# KiCad board SparkFun_BlueSMiRF-ESP32-PTH_panelized.kicad_pcb (continued)
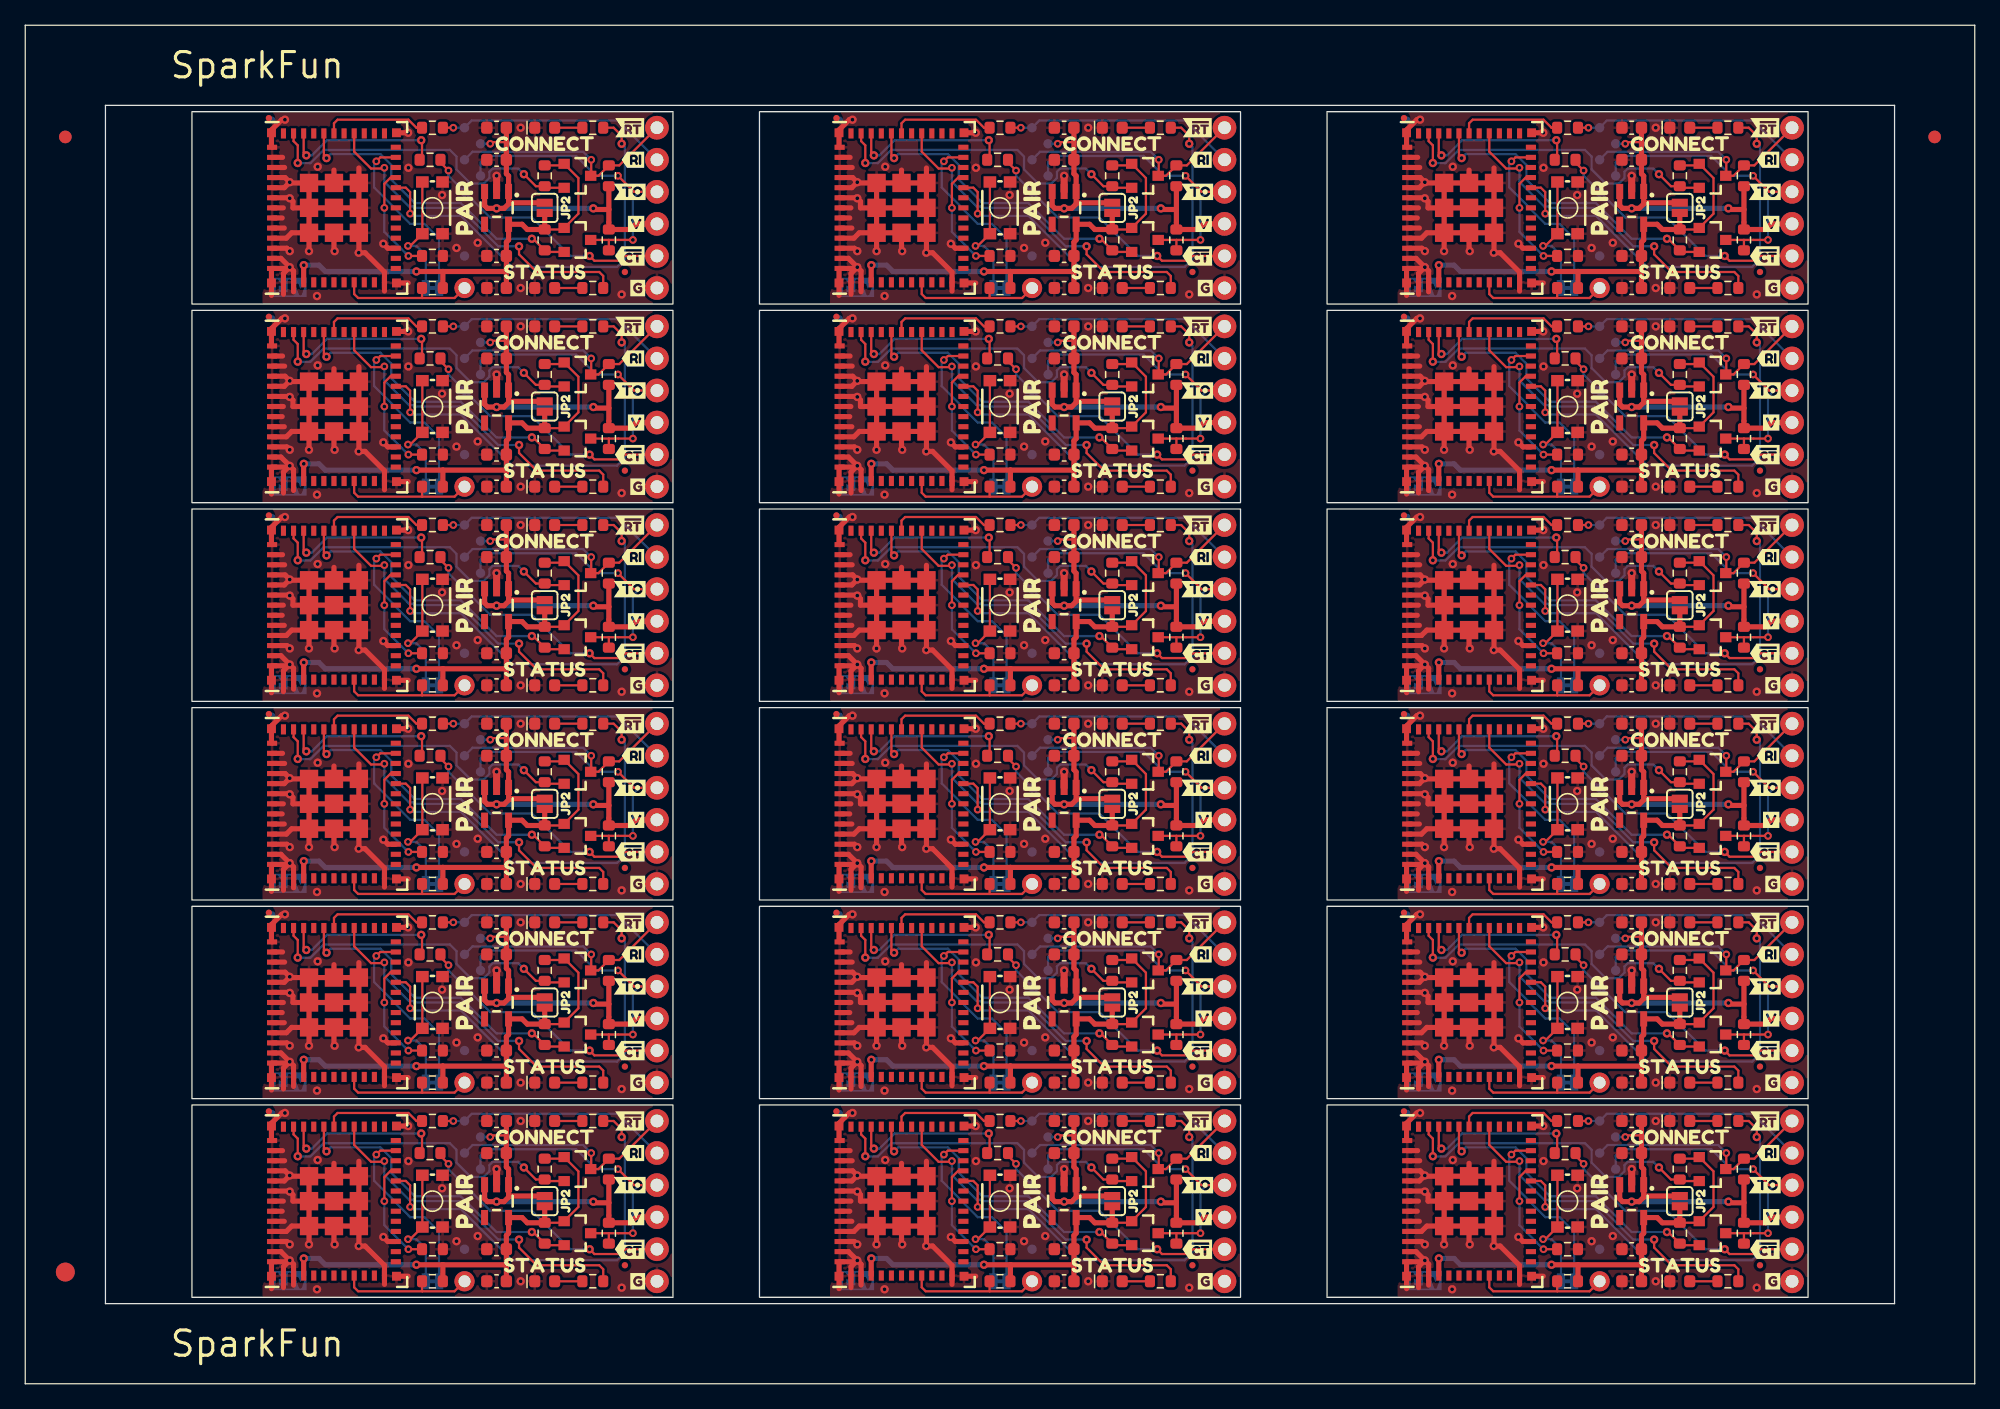
[diagram p0: board, top side]
## Placement (name value [footprint] x y rotation side) (continued)
R9#7  1k  [R_0603_1608Metric]  46.22 74.89 270 top
R9#8  1k  [R_0603_1608Metric]  46.22 90.63 270 top
R9#9  1k  [R_0603_1608Metric]  91.17 11.93 270 top
R9#10  1k  [R_0603_1608Metric]  91.17 59.15 270 top
R9#11  1k  [R_0603_1608Metric]  91.17 90.63 270 top
R9#12  1k  [R_0603_1608Metric]  136.12 27.67 270 top
R9#13  1k  [R_0603_1608Metric]  136.12 74.89 270 top
R9#14  1k  [R_0603_1608Metric]  136.12 43.41 270 top
R9#15  1k  [R_0603_1608Metric]  136.12 59.15 270 top
R9#16  1k  [R_0603_1608Metric]  136.12 90.63 270 top
R9#17  1k  [R_0603_1608Metric]  136.12 11.93 270 top
R9#18  1k  [R_0603_1608Metric]  46.22 11.93 270 top
R10  1k  [R_0603_1608Metric]  46.22 95.71 90 top
R10#2  1k  [R_0603_1608Metric]  136.12 48.49 90 top
R10#3  1k  [R_0603_1608Metric]  136.12 79.97 90 top
R10#4  1k  [R_0603_1608Metric]  136.12 32.75 90 top
R10#5  1k  [R_0603_1608Metric]  46.22 32.75 90 top
R10#6  1k  [R_0603_1608Metric]  91.17 95.71 90 top
R10#7  1k  [R_0603_1608Metric]  136.12 64.23 90 top
R10#8  1k  [R_0603_1608Metric]  46.22 48.49 90 top
R10#9  1k  [R_0603_1608Metric]  91.17 32.75 90 top
R10#10  1k  [R_0603_1608Metric]  46.22 64.23 90 top
R10#11  1k  [R_0603_1608Metric]  91.17 64.23 90 top
R10#12  1k  [R_0603_1608Metric]  46.22 79.97 90 top
R10#13  1k  [R_0603_1608Metric]  136.12 17.01 90 top
R10#14  1k  [R_0603_1608Metric]  91.17 17.01 90 top
R10#15  1k  [R_0603_1608Metric]  91.17 79.97 90 top
R10#16  1k  [R_0603_1608Metric]  136.12 95.71 90 top
R10#17  1k  [R_0603_1608Metric]  91.17 48.49 90 top
R10#18  1k  [R_0603_1608Metric]  46.22 17.01 90 top
SW1  Switch  [Momentary_SMD_4.6x2.8mm]  77.2 45.95 90 top
SW1#2  Switch  [Momentary_SMD_4.6x2.8mm]  77.2 30.21 90 top
SW1#3  Switch  [Momentary_SMD_4.6x2.8mm]  32.25 77.43 90 top
SW1#4  Switch  [Momentary_SMD_4.6x2.8mm]  32.25 45.95 90 top
SW1#5  Switch  [Momentary_SMD_4.6x2.8mm]  32.25 61.69 90 top
SW1#6  Switch  [Momentary_SMD_4.6x2.8mm]  77.2 14.47 90 top
SW1#7  Switch  [Momentary_SMD_4.6x2.8mm]  32.25 93.17 90 top
SW1#8  Switch  [Momentary_SMD_4.6x2.8mm]  77.2 93.17 90 top
SW1#9  Switch  [Momentary_SMD_4.6x2.8mm]  122.15 14.47 90 top
SW1#10  Switch  [Momentary_SMD_4.6x2.8mm]  77.2 77.43 90 top
SW1#11  Switch  [Momentary_SMD_4.6x2.8mm]  32.25 30.21 90 top
SW1#12  Switch  [Momentary_SMD_4.6x2.8mm]  122.15 45.95 90 top
SW1#13  Switch  [Momentary_SMD_4.6x2.8mm]  122.15 77.43 90 top
SW1#14  Switch  [Momentary_SMD_4.6x2.8mm]  122.15 30.21 90 top
SW1#15  Switch  [Momentary_SMD_4.6x2.8mm]  122.15 93.17 90 top
SW1#16  Switch  [Momentary_SMD_4.6x2.8mm]  77.2 61.69 90 top
SW1#17  Switch  [Momentary_SMD_4.6x2.8mm]  122.15 61.69 90 top
SW1#18  Switch  [Momentary_SMD_4.6x2.8mm]  32.25 14.47 90 top
TP1  TestPoint  [1X01]  34.79 39.6 90 top
TP1#2  TestPoint  [1X01]  79.74 8.12 90 top
TP1#3  TestPoint  [1X01]  79.74 71.08 90 top
TP1#4  TestPoint  [1X01]  124.69 8.12 90 top
TP1#5  TestPoint  [1X01]  34.79 55.34 90 top
TP1#6  TestPoint  [1X01]  34.79 23.86 90 top
TP1#7  TestPoint  [1X01]  34.79 71.08 90 top
TP1#8  TestPoint  [1X01]  79.74 23.86 90 top
TP1#9  TestPoint  [1X01]  79.74 39.6 90 top
TP1#10  TestPoint  [1X01]  34.79 86.82 90 top
TP1#11  TestPoint  [1X01]  79.74 55.34 90 top
TP1#12  TestPoint  [1X01]  79.74 86.82 90 top
TP1#13  TestPoint  [1X01]  124.69 23.86 90 top
TP1#14  TestPoint  [1X01]  124.69 39.6 90 top
TP1#15  TestPoint  [1X01]  124.69 55.34 90 top
TP1#16  TestPoint  [1X01]  124.69 86.82 90 top
TP1#17  TestPoint  [1X01]  124.69 71.08 90 top
TP1#18  TestPoint  [1X01]  34.79 8.12 90 top
TP2  TestPoint_0.75mm  [TestPoint-0.75mm]  79.74 99.52 180 bottom
TP2#2  TestPoint_0.75mm  [TestPoint-0.75mm]  124.69 36.56 180 bottom
TP2#3  TestPoint_0.75mm  [TestPoint-0.75mm]  124.69 99.52 180 bottom
TP2#4  TestPoint_0.75mm  [TestPoint-0.75mm]  124.69 20.82 180 bottom
TP2#5  TestPoint_0.75mm  [TestPoint-0.75mm]  124.69 68.04 180 bottom
TP2#6  TestPoint_0.75mm  [TestPoint-0.75mm]  124.69 52.3 180 bottom
TP2#7  TestPoint_0.75mm  [TestPoint-0.75mm]  79.74 83.78 180 bottom
TP2#8  TestPoint_0.75mm  [TestPoint-0.75mm]  124.69 83.78 180 bottom
TP2#9  TestPoint_0.75mm  [TestPoint-0.75mm]  34.79 83.78 180 bottom
TP2#10  TestPoint_0.75mm  [TestPoint-0.75mm]  79.74 20.82 180 bottom
TP2#11  TestPoint_0.75mm  [TestPoint-0.75mm]  34.79 36.56 180 bottom
TP2#12  TestPoint_0.75mm  [TestPoint-0.75mm]  34.79 52.3 180 bottom
TP2#13  TestPoint_0.75mm  [TestPoint-0.75mm]  34.79 68.04 180 bottom
TP2#14  TestPoint_0.75mm  [TestPoint-0.75mm]  34.79 99.52 180 bottom
TP2#15  TestPoint_0.75mm  [TestPoint-0.75mm]  79.74 36.56 180 bottom
TP2#16  TestPoint_0.75mm  [TestPoint-0.75mm]  79.74 52.3 180 bottom
TP2#17  TestPoint_0.75mm  [TestPoint-0.75mm]  79.74 68.04 180 bottom
TP2#18  TestPoint_0.75mm  [TestPoint-0.75mm]  34.79 20.82 180 bottom
TP3  TestPoint_0.75mm  [TestPoint-0.75mm]  34.79 62.96 180 bottom
TP3#2  TestPoint_0.75mm  [TestPoint-0.75mm]  79.74 15.74 180 bottom
TP3#3  TestPoint_0.75mm  [TestPoint-0.75mm]  79.74 47.22 180 bottom
TP3#4  TestPoint_0.75mm  [TestPoint-0.75mm]  79.74 78.7 180 bottom
TP3#5  TestPoint_0.75mm  [TestPoint-0.75mm]  34.79 78.7 180 bottom
TP3#6  TestPoint_0.75mm  [TestPoint-0.75mm]  34.79 47.22 180 bottom
TP3#7  TestPoint_0.75mm  [TestPoint-0.75mm]  34.79 31.48 180 bottom
TP3#8  TestPoint_0.75mm  [TestPoint-0.75mm]  34.79 94.44 180 bottom
TP3#9  TestPoint_0.75mm  [TestPoint-0.75mm]  79.74 31.48 180 bottom
TP3#10  TestPoint_0.75mm  [TestPoint-0.75mm]  79.74 62.96 180 bottom
TP3#11  TestPoint_0.75mm  [TestPoint-0.75mm]  124.69 15.74 180 bottom
TP3#12  TestPoint_0.75mm  [TestPoint-0.75mm]  124.69 62.96 180 bottom
TP3#13  TestPoint_0.75mm  [TestPoint-0.75mm]  124.69 78.7 180 bottom
TP3#14  TestPoint_0.75mm  [TestPoint-0.75mm]  124.69 47.22 180 bottom
TP3#15  TestPoint_0.75mm  [TestPoint-0.75mm]  124.69 94.44 180 bottom
TP3#16  TestPoint_0.75mm  [TestPoint-0.75mm]  79.74 94.44 180 bottom
TP3#17  TestPoint_0.75mm  [TestPoint-0.75mm]  124.69 31.48 180 bottom
TP3#18  TestPoint_0.75mm  [TestPoint-0.75mm]  34.79 15.74 180 bottom
TP4  TestPoint_0.75mm  [TestPoint-0.75mm]  81.01 95.71 180 bottom
TP4#2  TestPoint_0.75mm  [TestPoint-0.75mm]  125.96 48.49 180 bottom
TP4#3  TestPoint_0.75mm  [TestPoint-0.75mm]  81.01 17.01 180 bottom
TP4#4  TestPoint_0.75mm  [TestPoint-0.75mm]  36.06 32.75 180 bottom
TP4#5  TestPoint_0.75mm  [TestPoint-0.75mm]  81.01 32.75 180 bottom
TP4#6  TestPoint_0.75mm  [TestPoint-0.75mm]  81.01 64.23 180 bottom
TP4#7  TestPoint_0.75mm  [TestPoint-0.75mm]  36.06 79.97 180 bottom
TP4#8  TestPoint_0.75mm  [TestPoint-0.75mm]  81.01 48.49 180 bottom
TP4#9  TestPoint_0.75mm  [TestPoint-0.75mm]  81.01 79.97 180 bottom
TP4#10  TestPoint_0.75mm  [TestPoint-0.75mm]  36.06 64.23 180 bottom
TP4#11  TestPoint_0.75mm  [TestPoint-0.75mm]  125.96 17.01 180 bottom
TP4#12  TestPoint_0.75mm  [TestPoint-0.75mm]  36.06 48.49 180 bottom
TP4#13  TestPoint_0.75mm  [TestPoint-0.75mm]  36.06 95.71 180 bottom
TP4#14  TestPoint_0.75mm  [TestPoint-0.75mm]  125.96 32.75 180 bottom
TP4#15  TestPoint_0.75mm  [TestPoint-0.75mm]  125.96 64.23 180 bottom
TP4#16  TestPoint_0.75mm  [TestPoint-0.75mm]  125.96 79.97 180 bottom
TP4#17  TestPoint_0.75mm  [TestPoint-0.75mm]  125.96 95.71 180 bottom
TP4#18  TestPoint_0.75mm  [TestPoint-0.75mm]  36.06 17.01 180 bottom
TP5  TestPoint_0.75mm  [TestPoint-0.75mm]  34.79 65.5 180 bottom
TP5#2  TestPoint_0.75mm  [TestPoint-0.75mm]  79.74 49.76 180 bottom
TP5#3  TestPoint_0.75mm  [TestPoint-0.75mm]  124.69 49.76 180 bottom
TP5#4  TestPoint_0.75mm  [TestPoint-0.75mm]  79.74 34.02 180 bottom
TP5#5  TestPoint_0.75mm  [TestPoint-0.75mm]  124.69 96.98 180 bottom
TP5#6  TestPoint_0.75mm  [TestPoint-0.75mm]  34.79 34.02 180 bottom
TP5#7  TestPoint_0.75mm  [TestPoint-0.75mm]  79.74 18.28 180 bottom
TP5#8  TestPoint_0.75mm  [TestPoint-0.75mm]  79.74 65.5 180 bottom
TP5#9  TestPoint_0.75mm  [TestPoint-0.75mm]  79.74 81.24 180 bottom
TP5#10  TestPoint_0.75mm  [TestPoint-0.75mm]  79.74 96.98 180 bottom
TP5#11  TestPoint_0.75mm  [TestPoint-0.75mm]  34.79 49.76 180 bottom
TP5#12  TestPoint_0.75mm  [TestPoint-0.75mm]  34.79 96.98 180 bottom
TP5#13  TestPoint_0.75mm  [TestPoint-0.75mm]  34.79 81.24 180 bottom
TP5#14  TestPoint_0.75mm  [TestPoint-0.75mm]  124.69 18.28 180 bottom
TP5#15  TestPoint_0.75mm  [TestPoint-0.75mm]  124.69 34.02 180 bottom
TP5#16  TestPoint_0.75mm  [TestPoint-0.75mm]  124.69 65.5 180 bottom
TP5#17  TestPoint_0.75mm  [TestPoint-0.75mm]  124.69 81.24 180 bottom
TP5#18  TestPoint_0.75mm  [TestPoint-0.75mm]  34.79 18.28 180 bottom
TP6  TestPoint_0.75mm  [TestPoint-0.75mm]  34.79 26.4 180 bottom
TP6#2  TestPoint_0.75mm  [TestPoint-0.75mm]  34.79 42.14 180 bottom
TP6#3  TestPoint_0.75mm  [TestPoint-0.75mm]  34.79 57.88 180 bottom
TP6#4  TestPoint_0.75mm  [TestPoint-0.75mm]  34.79 73.62 180 bottom
TP6#5  TestPoint_0.75mm  [TestPoint-0.75mm]  34.79 89.36 180 bottom
TP6#6  TestPoint_0.75mm  [TestPoint-0.75mm]  124.69 42.14 180 bottom
TP6#7  TestPoint_0.75mm  [TestPoint-0.75mm]  79.74 26.4 180 bottom
TP6#8  TestPoint_0.75mm  [TestPoint-0.75mm]  124.69 73.62 180 bottom
TP6#9  TestPoint_0.75mm  [TestPoint-0.75mm]  79.74 89.36 180 bottom
TP6#10  TestPoint_0.75mm  [TestPoint-0.75mm]  124.69 89.36 180 bottom
TP6#11  TestPoint_0.75mm  [TestPoint-0.75mm]  79.74 10.66 180 bottom
TP6#12  TestPoint_0.75mm  [TestPoint-0.75mm]  79.74 42.14 180 bottom
TP6#13  TestPoint_0.75mm  [TestPoint-0.75mm]  79.74 57.88 180 bottom
TP6#14  TestPoint_0.75mm  [TestPoint-0.75mm]  124.69 26.4 180 bottom
TP6#15  TestPoint_0.75mm  [TestPoint-0.75mm]  79.74 73.62 180 bottom
TP6#16  TestPoint_0.75mm  [TestPoint-0.75mm]  124.69 10.66 180 bottom
TP6#17  TestPoint_0.75mm  [TestPoint-0.75mm]  124.69 57.88 180 bottom
TP6#18  TestPoint_0.75mm  [TestPoint-0.75mm]  34.79 10.66 180 bottom
TP7  TestPoint_0.75mm  [TestPoint-0.75mm]  81.01 66.77 180 bottom
TP7#2  TestPoint_0.75mm  [TestPoint-0.75mm]  36.06 35.29 180 bottom
TP7#3  TestPoint_0.75mm  [TestPoint-0.75mm]  36.06 51.03 180 bottom
TP7#4  TestPoint_0.75mm  [TestPoint-0.75mm]  125.96 35.29 180 bottom
TP7#5  TestPoint_0.75mm  [TestPoint-0.75mm]  125.96 98.25 180 bottom
TP7#6  TestPoint_0.75mm  [TestPoint-0.75mm]  125.96 19.55 180 bottom
TP7#7  TestPoint_0.75mm  [TestPoint-0.75mm]  81.01 98.25 180 bottom
TP7#8  TestPoint_0.75mm  [TestPoint-0.75mm]  81.01 35.29 180 bottom
TP7#9  TestPoint_0.75mm  [TestPoint-0.75mm]  36.06 66.77 180 bottom
TP7#10  TestPoint_0.75mm  [TestPoint-0.75mm]  36.06 98.25 180 bottom
TP7#11  TestPoint_0.75mm  [TestPoint-0.75mm]  81.01 19.55 180 bottom
TP7#12  TestPoint_0.75mm  [TestPoint-0.75mm]  36.06 82.51 180 bottom
TP7#13  TestPoint_0.75mm  [TestPoint-0.75mm]  81.01 51.03 180 bottom
TP7#14  TestPoint_0.75mm  [TestPoint-0.75mm]  125.96 82.51 180 bottom
TP7#15  TestPoint_0.75mm  [TestPoint-0.75mm]  125.96 51.03 180 bottom
TP7#16  TestPoint_0.75mm  [TestPoint-0.75mm]  81.01 82.51 180 bottom
TP7#17  TestPoint_0.75mm  [TestPoint-0.75mm]  125.96 66.77 180 bottom
TP7#18  TestPoint_0.75mm  [TestPoint-0.75mm]  36.06 19.55 180 bottom
U1  ESP32_Pico_Mini  [ESP32-MINI]  24.45 30.21 90 top
U1#2  ESP32_Pico_Mini  [ESP32-MINI]  24.45 45.95 90 top
U1#3  ESP32_Pico_Mini  [ESP32-MINI]  24.45 61.69 90 top
U1#4  ESP32_Pico_Mini  [ESP32-MINI]  114.35 14.47 90 top
U1#5  ESP32_Pico_Mini  [ESP32-MINI]  114.35 30.21 90 top
U1#6  ESP32_Pico_Mini  [ESP32-MINI]  69.4 61.69 90 top
U1#7  ESP32_Pico_Mini  [ESP32-MINI]  114.35 61.69 90 top
U1#8  ESP32_Pico_Mini  [ESP32-MINI]  69.4 14.47 90 top
U1#9  ESP32_Pico_Mini  [ESP32-MINI]  69.4 93.17 90 top
U1#10  ESP32_Pico_Mini  [ESP32-MINI]  114.35 77.43 90 top
U1#11  ESP32_Pico_Mini  [ESP32-MINI]  24.45 93.17 90 top
U1#12  ESP32_Pico_Mini  [ESP32-MINI]  69.4 45.95 90 top
U1#13  ESP32_Pico_Mini  [ESP32-MINI]  114.35 45.95 90 top
U1#14  ESP32_Pico_Mini  [ESP32-MINI]  24.45 77.43 90 top
U1#15  ESP32_Pico_Mini  [ESP32-MINI]  114.35 93.17 90 top
U1#16  ESP32_Pico_Mini  [ESP32-MINI]  69.4 30.21 90 top
U1#17  ESP32_Pico_Mini  [ESP32-MINI]  69.4 77.43 90 top
U1#18  ESP32_Pico_Mini  [ESP32-MINI]  24.45 14.47 90 top
U2  AP2112K-3.3  [SOT23-5]  37.33 61.69 270 top
U2#2  AP2112K-3.3  [SOT23-5]  37.33 93.17 270 top
U2#3  AP2112K-3.3  [SOT23-5]  37.33 45.95 270 top
U2#4  AP2112K-3.3  [SOT23-5]  127.23 14.47 270 top
U2#5  AP2112K-3.3  [SOT23-5]  127.23 45.95 270 top
U2#6  AP2112K-3.3  [SOT23-5]  37.33 30.21 270 top
U2#7  AP2112K-3.3  [SOT23-5]  37.33 77.43 270 top
U2#8  AP2112K-3.3  [SOT23-5]  82.28 14.47 270 top
U2#9  AP2112K-3.3  [SOT23-5]  82.28 30.21 270 top
U2#10  AP2112K-3.3  [SOT23-5]  82.28 45.95 270 top
U2#11  AP2112K-3.3  [SOT23-5]  82.28 61.69 270 top
U2#12  AP2112K-3.3  [SOT23-5]  82.28 77.43 270 top
U2#13  AP2112K-3.3  [SOT23-5]  82.28 93.17 270 top
U2#14  AP2112K-3.3  [SOT23-5]  127.23 30.21 270 top
U2#15  AP2112K-3.3  [SOT23-5]  127.23 77.43 270 top
U2#16  AP2112K-3.3  [SOT23-5]  127.23 93.17 270 top
U2#17  AP2112K-3.3  [SOT23-5]  127.23 61.69 270 top
U2#18  AP2112K-3.3  [SOT23-5]  37.33 14.47 270 top
U3  ~  [ORDERING_INSTRUCTIONS]  -116.09 223.73 0 top

## Library data of the parts
C1 C1#2-C1#18 C4 C4#2-C4#18 = -: Description: Unpolarized capacitor; PROD_ID: CAP-20155; Tolerance: 20%; Voltage: 10V
C2 C2#2-C2#18 C3 C3#2-C3#18 = -: Description: Unpolarized capacitor; PROD_ID: CAP-13930; Tolerance: 10%; Voltage: 16V
D1 D1#2-D1#18 = -: Description: Light emitting diode; PROD_ID: DIO-00821
D2 D2#2-D2#18 = -: Description: Light emitting diode; PROD_ID: DIO-17976
FID1 FID1#2-FID1#18 FID2 FID2#2-FID2#18 FID3 FID3#2-FID3#18 FID4 FID4#2-FID4#18 = -: Description: Fiducial Marker
J1 J1#2-J1#18 = -: Description: Generic connector, single row, 01x06, script generated (kicad-library-utils/schlib/autogen/connector/)
JP1 JP1#2-JP1#18 = -: Description: Solder Jumper, 2-pole, closed/bridged
JP2 JP2#2-JP2#18 = -: Description: Solder Jumper, 2-pole, open
Q1 Q1#2-Q1#18 Q2 Q2#2-Q2#18 = -: Description: N-MOSFET transistor, drain/gate/source; PROD_ID: TRANS-00830
R1 R1#2-R1#18 R6 R6#2-R6#18 = -: Description: Resistor; PROD_ID: RES-07857
R2 R2#2-R2#18 = -: Description: Resistor; PROD_ID: RES-00824
R3 R3#2-R3#18 R4 R4#2-R4#18 R7 R7#2-R7#18 R8 R8#2-R8#18 R9 R9#2-R9#18 R10 R10#2-R10#18 = -: Description: Resistor; PROD_ID: RES-07856
R5 R5#2-R5#18 = -: Description: Resistor; PROD_ID: RES-00818
SW1 SW1#2-SW1#18 = -: Description: Single Pole Single Throw (SPST) switch; PROD_ID: SWCH-15606
TP1 TP1#2-TP1#18 TP2 TP2#2-TP2#18 TP3 TP3#2-TP3#18 TP4 TP4#2-TP4#18 TP5 TP5#2-TP5#18 TP6 TP6#2-TP6#18 TP7 TP7#2-TP7#18 = -: Description: Test Point
U1 U1#2-U1#18 = -: PROD_ID: IC-19692
U2 U2#2-U2#18 = -: Description: 600mA low dropout linear regulator, with enable pin, 3.8V-6V input voltage range, 3.3V fixed positive output, SOT-23-5; PROD_ID: VREG-12457

## Footprints (pads in the part's own frame, mm; a bottom-side part is the same pattern mirrored in y, then rotated)
1X01
  round 1.6 hole 0.95: 1(0,0)
1X06
  round 1.88 hole 1.016: 1(0,0) 2(2.54,0) 3(5.08,0) 4(7.62,0) 5(10.16,0) 6(12.7,0)
C_0603_1608Metric
  rrect 0.9x0.95 smd: 1(-0.775,0) 2(0.775,0)
ESP32-MINI
  rect 0.8x0.4 smd: 1(-5.9,4) 2(-5.9,3.2) 3(-5.9,2.4) 4(-5.9,1.6) 5(-5.9,0.8) 6(-5.9,0) 7(-5.9,-0.8) 8(-5.9,-1.6) 9(-5.9,-2.4) 10(-5.9,-3.2) 11(-5.9,-4) 25(5.9,-4) 26(5.9,-3.2) 27(5.9,-2.4) 28(5.9,-1.6) 29(5.9,-0.8) 30(5.9,0) 31(5.9,0.8) 32(5.9,1.6) 33(5.9,2.4) 34(5.9,3.2) 35(5.9,4)
  rect 0.4x0.8 smd: 12(-4.8,-4.9) 13(-4,-4.9) 14(-3.2,-4.9) 15(-2.4,-4.9) 16(-1.6,-4.9) 17(-0.8,-4.9) 18(0,-4.9) 19(0.8,-4.9) 20(1.6,-4.9) 21(2.4,-4.9) 22(3.2,-4.9) 23(4,-4.9) 24(4.8,-4.9) 36(4.8,4.9) 37(4,4.9) 38(3.2,4.9) 39(2.4,4.9) 40(1.6,4.9) 41(0.8,4.9) 42(0,4.9) 43(-0.8,4.9) 44(-1.6,4.9) 45(-2.4,4.9) 46(-3.2,4.9) 47(-4,4.9) 48(-4.8,4.9)
  rect 1.45x1.45 smd: 49.1(-1.975,1.975) 49.2(-1.975,0) 49.3(-1.975,-1.975) 49.4(0,-1.975) 49.5(1.975,-1.975) 49.6(1.975,0) 49.7(1.975,1.975) 49.8(0,1.975) 49.9(0,0)
  rect 0.7x0.7 smd: 50(5.95,4.95) 51(5.95,-4.95) 52(-5.95,-4.95) 53(-5.95,4.95)
Fiducial_0.5mm_Mask1mm
  round 0.5 smd: (0,0)
Fiducial_1.5mm_Mask3mm
  round 1.5 smd: (0,0)
Fiducial_1mm_Mask3mm
  round 1 smd: (0,0)
LED_0603_1608Metric
  rrect 0.875x0.95 smd: 1(-0.787,0) 2(0.787,0)
Momentary_SMD_4.6x2.8mm
  rect 0.9x1 smd: 1(-2.05,0.8) 1(2.05,0.8) 2(-2.05,-0.8) 2(2.05,-0.8)
R_0603_1608Metric
  rrect 0.8x0.95 smd: 1(-0.825,0) 2(0.825,0)
SMT-JUMPER_2_NC_TRACE_SILK
  rect 0.66x1.27 smd: 1(-0.521,0) 2(0.521,0)
SMT-JUMPER_2_NO_SILK
  rect 0.635x1.27 smd: 1(-0.406,0) 2(0.406,0)
SOT23-3
  rect 0.9x0.8 smd: 1(-1,0.95) 2(-1,-0.95) 3(1.1,0)
SOT23-5
  rect 1.2x0.55 smd: 1(-1.3,0.95) 2(-1.3,0) 3(-1.3,-0.95) 4(1.3,-0.95) 5(1.3,0.95)
TestPoint-0.75mm
  rrect 0.75x0.75 smd: 1(0,0)

## Nets
+3.3V: C3.1 C3#2.1 C3#3.1 C3#4.1 C3#5.1 C3#6.1 C3#7.1 C3#8.1 C3#9.1 C3#10.1 C3#11.1 C3#12.1 C3#13.1 C3#14.1 C3#15.1 C3#16.1 C3#17.1 C3#18.1 C4.1 C4#2.1 C4#3.1 C4#4.1 C4#5.1 C4#6.1 C4#7.1 C4#8.1 C4#9.1 C4#10.1 C4#11.1 C4#12.1 C4#13.1 C4#14.1 C4#15.1 C4#16.1 C4#17.1 C4#18.1 JP2.2 JP2#2.2 JP2#3.2 JP2#4.2 JP2#5.2 JP2#6.2 JP2#7.2 JP2#8.2 JP2#9.2 JP2#10.2 JP2#11.2 JP2#12.2 JP2#13.2 JP2#14.2 JP2#15.2 JP2#16.2 JP2#17.2 JP2#18.2 Q1.1 Q1#2.1 Q1#3.1 Q1#4.1 Q1#5.1 Q1#6.1 Q1#7.1 Q1#8.1 Q1#9.1 Q1#10.1 Q1#11.1 Q1#12.1 Q1#13.1 Q1#14.1 Q1#15.1 Q1#16.1 Q1#17.1 Q1#18.1 Q2.1 Q2#2.1 Q2#3.1 Q2#4.1 Q2#5.1 Q2#6.1 Q2#7.1 Q2#8.1 Q2#9.1 Q2#10.1 Q2#11.1 Q2#12.1 Q2#13.1 Q2#14.1 Q2#15.1 Q2#16.1 Q2#17.1 Q2#18.1 R1.1 R1#2.1 R1#3.1 R1#4.1 R1#5.1 R1#6.1 R1#7.1 R1#8.1 R1#9.1 R1#10.1 R1#11.1 R1#12.1 R1#13.1 R1#14.1 R1#15.1 R1#16.1 R1#17.1 R1#18.1 R7.1 R7#2.1 R7#3.1 R7#4.1 R7#5.1 R7#6.1 R7#7.1 R7#8.1 R7#9.1 R7#10.1 R7#11.1 R7#12.1 R7#13.1 R7#14.1 R7#15.1 R7#16.1 R7#17.1 R7#18.1 R8.1 R8#2.1 R8#3.1 R8#4.1 R8#5.1 R8#6.1 R8#7.1 R8#8.1 R8#9.1 R8#10.1 R8#11.1 R8#12.1 R8#13.1 R8#14.1 R8#15.1 R8#16.1 R8#17.1 R8#18.1 U1.3 U1#2.3 U1#3.3 U1#4.3 U1#5.3 U1#6.3 U1#7.3 U1#8.3 U1#9.3 U1#10.3 U1#11.3 U1#12.3 U1#13.3 U1#14.3 U1#15.3 U1#16.3 U1#17.3 U1#18.3 U2.5 U2#2.5 U2#3.5 U2#4.5 U2#5.5 U2#6.5 U2#7.5 U2#8.5 U2#9.5 U2#10.5 U2#11.5 U2#12.5 U2#13.5 U2#14.5 U2#15.5 U2#16.5 U2#17.5 U2#18.5
GND: C1.2 C1#2.2 C1#3.2 C1#4.2 C1#5.2 C1#6.2 C1#7.2 C1#8.2 C1#9.2 C1#10.2 C1#11.2 C1#12.2 C1#13.2 C1#14.2 C1#15.2 C1#16.2 C1#17.2 C1#18.2 C2.2 C2#2.2 C2#3.2 C2#4.2 C2#5.2 C2#6.2 C2#7.2 C2#8.2 C2#9.2 C2#10.2 C2#11.2 C2#12.2 C2#13.2 C2#14.2 C2#15.2 C2#16.2 C2#17.2 C2#18.2 C3.2 C3#2.2 C3#3.2 C3#4.2 C3#5.2 C3#6.2 C3#7.2 C3#8.2 C3#9.2 C3#10.2 C3#11.2 C3#12.2 C3#13.2 C3#14.2 C3#15.2 C3#16.2 C3#17.2 C3#18.2 C4.2 C4#2.2 C4#3.2 C4#4.2 C4#5.2 C4#6.2 C4#7.2 C4#8.2 C4#9.2 C4#10.2 C4#11.2 C4#12.2 C4#13.2 C4#14.2 C4#15.2 C4#16.2 C4#17.2 C4#18.2 D1.1 D1#2.1 D1#3.1 D1#4.1 D1#5.1 D1#6.1 D1#7.1 D1#8.1 D1#9.1 D1#10.1 D1#11.1 D1#12.1 D1#13.1 D1#14.1 D1#15.1 D1#16.1 D1#17.1 D1#18.1 D2.1 D2#2.1 D2#3.1 D2#4.1 D2#5.1 D2#6.1 D2#7.1 D2#8.1 D2#9.1 D2#10.1 D2#11.1 D2#12.1 D2#13.1 D2#14.1 D2#15.1 D2#16.1 D2#17.1 D2#18.1 J1.6 J1#2.6 J1#3.6 J1#4.6 J1#5.6 J1#6.6 J1#7.6 J1#8.6 J1#9.6 J1#10.6 J1#11.6 J1#12.6 J1#13.6 J1#14.6 J1#15.6 J1#16.6 J1#17.6 J1#18.6 R2.2 R2#2.2 R2#3.2 R2#4.2 R2#5.2 R2#6.2 R2#7.2 R2#8.2 R2#9.2 R2#10.2 R2#11.2 R2#12.2 R2#13.2 R2#14.2 R2#15.2 R2#16.2 R2#17.2 R2#18.2 SW1.2 SW1#2.2 SW1#3.2 SW1#4.2 SW1#5.2 SW1#6.2 SW1#7.2 SW1#8.2 SW1#9.2 SW1#10.2 SW1#11.2 SW1#12.2 SW1#13.2 SW1#14.2 SW1#15.2 SW1#16.2 SW1#17.2 SW1#18.2 TP6.1 TP6#2.1 TP6#3.1 TP6#4.1 TP6#5.1 TP6#6.1 TP6#7.1 TP6#8.1 TP6#9.1 TP6#10.1 TP6#11.1 TP6#12.1 TP6#13.1 TP6#14.1 TP6#15.1 TP6#16.1 TP6#17.1 TP6#18.1 U1.1 U1.2 U1.11 U1.14 U1.36 U1.37 U1.38 U1.39 U1.40 U1.41 U1.42 U1.43 U1.44 U1.45 U1.46 U1.47 U1.48 U1.49.1 U1.49.2 U1.49.3 U1.49.4 U1.49.5 U1.49.6 U1.49.7 U1.49.8 U1.49.9 U1.50 U1.51 U1.52 U1.53 U1#2.1 U1#2.2 U1#2.11 U1#2.14 U1#2.36 U1#2.37 U1#2.38 U1#2.39 U1#2.40 U1#2.41 U1#2.42 U1#2.43 U1#2.44 U1#2.45 U1#2.46 U1#2.47 U1#2.48 U1#2.49.1 U1#2.49.2 U1#2.49.3 U1#2.49.4 U1#2.49.5 U1#2.49.6 U1#2.49.7 U1#2.49.8 U1#2.49.9 U1#2.50 U1#2.51 U1#2.52 U1#2.53 U1#3.1 U1#3.2 U1#3.11 U1#3.14 U1#3.36 U1#3.37 U1#3.38 U1#3.39 U1#3.40 U1#3.41 U1#3.42 U1#3.43 U1#3.44 U1#3.45 U1#3.46 U1#3.47 U1#3.48 U1#3.49.1 U1#3.49.2 U1#3.49.3 U1#3.49.4 U1#3.49.5 U1#3.49.6 U1#3.49.7 U1#3.49.8 U1#3.49.9 U1#3.50 U1#3.51 U1#3.52 U1#3.53 U1#4.1 U1#4.2 U1#4.11 U1#4.14 U1#4.36 U1#4.37 U1#4.38 U1#4.39 U1#4.40 U1#4.41 U1#4.42 U1#4.43 U1#4.44 U1#4.45 U1#4.46 U1#4.47 U1#4.48 U1#4.49.1 U1#4.49.2 U1#4.49.3 U1#4.49.4 U1#4.49.5 U1#4.49.6 U1#4.49.7 U1#4.49.8 U1#4.49.9 U1#4.50 U1#4.51 U1#4.52 U1#4.53 U1#5.1 U1#5.2 U1#5.11 U1#5.14 U1#5.36 U1#5.37 U1#5.38 U1#5.39 U1#5.40 U1#5.41 U1#5.42 U1#5.43 U1#5.44 U1#5.45 U1#5.46 U1#5.47 U1#5.48 U1#5.49.1 U1#5.49.2 U1#5.49.3 U1#5.49.4 U1#5.49.5 U1#5.49.6 U1#5.49.7 U1#5.49.8 U1#5.49.9 U1#5.50 U1#5.51 U1#5.52 U1#5.53 U1#6.1 U1#6.2 U1#6.11 U1#6.14 U1#6.36 U1#6.37 U1#6.38 U1#6.39 U1#6.40 U1#6.41 U1#6.42 U1#6.43 U1#6.44 U1#6.45 U1#6.46 U1#6.47 U1#6.48 U1#6.49.1 U1#6.49.2 U1#6.49.3 U1#6.49.4 U1#6.49.5 U1#6.49.6 U1#6.49.7 U1#6.49.8 U1#6.49.9 U1#6.50 U1#6.51 U1#6.52 U1#6.53 U1#7.1 U1#7.2 U1#7.11 U1#7.14 U1#7.36 U1#7.37 U1#7.38 U1#7.39 U1#7.40 U1#7.41 U1#7.42 U1#7.43 U1#7.44 U1#7.45 U1#7.46 U1#7.47 U1#7.48 U1#7.49.1 U1#7.49.2 U1#7.49.3 U1#7.49.4 U1#7.49.5 U1#7.49.6 U1#7.49.7 U1#7.49.8 U1#7.49.9 U1#7.50 U1#7.51 U1#7.52 U1#7.53 U1#8.1 U1#8.2 U1#8.11 U1#8.14 U1#8.36 U1#8.37 U1#8.38 U1#8.39 U1#8.40 U1#8.41 U1#8.42 U1#8.43 U1#8.44 U1#8.45 U1#8.46 U1#8.47 U1#8.48 U1#8.49.1 U1#8.49.2 U1#8.49.3 U1#8.49.4 U1#8.49.5 U1#8.49.6 U1#8.49.7 U1#8.49.8 U1#8.49.9 U1#8.50 U1#8.51 U1#8.52 U1#8.53 U1#9.1 U1#9.2 U1#9.11 U1#9.14 U1#9.36 U1#9.37 U1#9.38 U1#9.39 U1#9.40 U1#9.41 U1#9.42 U1#9.43 U1#9.44 U1#9.45 U1#9.46 U1#9.47 U1#9.48 U1#9.49.1 U1#9.49.2 U1#9.49.3 U1#9.49.4 U1#9.49.5 U1#9.49.6 U1#9.49.7 U1#9.49.8 U1#9.49.9 U1#9.50 U1#9.51 U1#9.52 U1#9.53 U1#10.1 U1#10.2 U1#10.11 U1#10.14 U1#10.36 U1#10.37 U1#10.38 U1#10.39 U1#10.40 U1#10.41 U1#10.42 U1#10.43 U1#10.44 U1#10.45 U1#10.46 U1#10.47 U1#10.48 U1#10.49.1 U1#10.49.2 U1#10.49.3 U1#10.49.4 U1#10.49.5 U1#10.49.6 U1#10.49.7 U1#10.49.8 U1#10.49.9 U1#10.50 U1#10.51 U1#10.52 U1#10.53 U1#11.1 U1#11.2 U1#11.11 U1#11.14 U1#11.36 U1#11.37 U1#11.38 U1#11.39 U1#11.40 U1#11.41 U1#11.42 U1#11.43 U1#11.44 U1#11.45 U1#11.46 U1#11.47 U1#11.48 U1#11.49.1 U1#11.49.2 U1#11.49.3 U1#11.49.4 U1#11.49.5 U1#11.49.6 U1#11.49.7 U1#11.49.8 U1#11.49.9 U1#11.50 U1#11.51 U1#11.52 U1#11.53 U1#12.1 U1#12.2 U1#12.11 U1#12.14 U1#12.36 U1#12.37 U1#12.38 U1#12.39 U1#12.40 U1#12.41 U1#12.42 U1#12.43 U1#12.44 U1#12.45 U1#12.46 U1#12.47 U1#12.48 U1#12.49.1 U1#12.49.2 U1#12.49.3 U1#12.49.4 U1#12.49.5 U1#12.49.6 U1#12.49.7 U1#12.49.8 U1#12.49.9 U1#12.50 U1#12.51 U1#12.52 U1#12.53 U1#13.1 U1#13.2 U1#13.11 U1#13.14 U1#13.36 U1#13.37 U1#13.38 U1#13.39 U1#13.40 U1#13.41 U1#13.42 U1#13.43 U1#13.44 U1#13.45 U1#13.46 U1#13.47 U1#13.48 U1#13.49.1 U1#13.49.2 U1#13.49.3 U1#13.49.4 U1#13.49.5 U1#13.49.6 U1#13.49.7 U1#13.49.8 U1#13.49.9 U1#13.50 U1#13.51 U1#13.52 U1#13.53 U1#14.1 U1#14.2 U1#14.11 U1#14.14 U1#14.36 U1#14.37 U1#14.38 U1#14.39 U1#14.40 U1#14.41 U1#14.42 U1#14.43 U1#14.44 U1#14.45 U1#14.46 U1#14.47 U1#14.48 U1#14.49.1 U1#14.49.2 U1#14.49.3 U1#14.49.4 U1#14.49.5 U1#14.49.6 U1#14.49.7 U1#14.49.8 U1#14.49.9 U1#14.50 U1#14.51 U1#14.52 U1#14.53 U1#15.1 U1#15.2 U1#15.11 U1#15.14 U1#15.36 U1#15.37 U1#15.38 U1#15.39 U1#15.40 U1#15.41 U1#15.42 U1#15.43 U1#15.44 U1#15.45 U1#15.46 U1#15.47 U1#15.48 U1#15.49.1 U1#15.49.2 U1#15.49.3 U1#15.49.4 U1#15.49.5 U1#15.49.6 U1#15.49.7 U1#15.49.8 U1#15.49.9 U1#15.50 U1#15.51 U1#15.52 U1#15.53 U1#16.1 U1#16.2 U1#16.11 U1#16.14 U1#16.36 U1#16.37 U1#16.38 U1#16.39 U1#16.40 U1#16.41 U1#16.42 U1#16.43 U1#16.44 U1#16.45 U1#16.46 U1#16.47 U1#16.48 U1#16.49.1 U1#16.49.2 U1#16.49.3 U1#16.49.4 U1#16.49.5 U1#16.49.6 U1#16.49.7 U1#16.49.8 U1#16.49.9 U1#16.50 U1#16.51 U1#16.52 U1#16.53 U1#17.1 U1#17.2 U1#17.11 U1#17.14 U1#17.36 U1#17.37 U1#17.38 U1#17.39 U1#17.40 U1#17.41 U1#17.42 U1#17.43 U1#17.44 U1#17.45 U1#17.46 U1#17.47 U1#17.48 U1#17.49.1 U1#17.49.2 U1#17.49.3 U1#17.49.4 U1#17.49.5 U1#17.49.6 U1#17.49.7 U1#17.49.8 U1#17.49.9 U1#17.50 U1#17.51 U1#17.52 U1#17.53 U1#18.1 U1#18.2 U1#18.11 U1#18.14 U1#18.36 U1#18.37 U1#18.38 U1#18.39 U1#18.40 U1#18.41 U1#18.42 U1#18.43 U1#18.44 U1#18.45 U1#18.46 U1#18.47 U1#18.48 U1#18.49.1 U1#18.49.2 U1#18.49.3 U1#18.49.4 U1#18.49.5 U1#18.49.6 U1#18.49.7 U1#18.49.8 U1#18.49.9 U1#18.50 U1#18.51 U1#18.52 U1#18.53 U2.2 U2#2.2 U2#3.2 U2#4.2 U2#5.2 U2#6.2 U2#7.2 U2#8.2 U2#9.2 U2#10.2 U2#11.2 U2#12.2 U2#13.2 U2#14.2 U2#15.2 U2#16.2 U2#17.2 U2#18.2
VCC: C1.1 C1#2.1 C1#3.1 C1#4.1 C1#5.1 C1#6.1 C1#7.1 C1#8.1 C1#9.1 C1#10.1 C1#11.1 C1#12.1 C1#13.1 C1#14.1 C1#15.1 C1#16.1 C1#17.1 C1#18.1 C2.1 C2#2.1 C2#3.1 C2#4.1 C2#5.1 C2#6.1 C2#7.1 C2#8.1 C2#9.1 C2#10.1 C2#11.1 C2#12.1 C2#13.1 C2#14.1 C2#15.1 C2#16.1 C2#17.1 C2#18.1 J1.4 J1#2.4 J1#3.4 J1#4.4 J1#5.4 J1#6.4 J1#7.4 J1#8.4 J1#9.4 J1#10.4 J1#11.4 J1#12.4 J1#13.4 J1#14.4 J1#15.4 J1#16.4 J1#17.4 J1#18.4 JP2.1 JP2#2.1 JP2#3.1 JP2#4.1 JP2#5.1 JP2#6.1 JP2#7.1 JP2#8.1 JP2#9.1 JP2#10.1 JP2#11.1 JP2#12.1 JP2#13.1 JP2#14.1 JP2#15.1 JP2#16.1 JP2#17.1 JP2#18.1 R9.1 R9#2.1 R9#3.1 R9#4.1 R9#5.1 R9#6.1 R9#7.1 R9#8.1 R9#9.1 R9#10.1 R9#11.1 R9#12.1 R9#13.1 R9#14.1 R9#15.1 R9#16.1 R9#17.1 R9#18.1 R10.1 R10#2.1 R10#3.1 R10#4.1 R10#5.1 R10#6.1 R10#7.1 R10#8.1 R10#9.1 R10#10.1 R10#11.1 R10#12.1 R10#13.1 R10#14.1 R10#15.1 R10#16.1 R10#17.1 R10#18.1 TP7.1 TP7#2.1 TP7#3.1 TP7#4.1 TP7#5.1 TP7#6.1 TP7#7.1 TP7#8.1 TP7#9.1 TP7#10.1 TP7#11.1 TP7#12.1 TP7#13.1 TP7#14.1 TP7#15.1 TP7#16.1 TP7#17.1 TP7#18.1 U2.1 U2.3 U2#2.1 U2#2.3 U2#3.1 U2#3.3 U2#4.1 U2#4.3 U2#5.1 U2#5.3 U2#6.1 U2#6.3 U2#7.1 U2#7.3 U2#8.1 U2#8.3 U2#9.1 U2#9.3 U2#10.1 U2#10.3 U2#11.1 U2#11.3 U2#12.1 U2#12.3 U2#13.1 U2#13.3 U2#14.1 U2#14.3 U2#15.1 U2#15.3 U2#16.1 U2#16.3 U2#17.1 U2#17.3 U2#18.1 U2#18.3
/Connect: R5.1 R5#2.1 R5#3.1 R5#4.1 R5#5.1 R5#6.1 R5#7.1 R5#8.1 R5#9.1 R5#10.1 R5#11.1 R5#12.1 R5#13.1 R5#14.1 R5#15.1 R5#16.1 R5#17.1 R5#18.1 U1.20 U1#2.20 U1#3.20 U1#4.20 U1#5.20 U1#6.20 U1#7.20 U1#8.20 U1#9.20 U1#10.20 U1#11.20 U1#12.20 U1#13.20 U1#14.20 U1#15.20 U1#16.20 U1#17.20 U1#18.20
/Status: R6.1 R6#2.1 R6#3.1 R6#4.1 R6#5.1 R6#6.1 R6#7.1 R6#8.1 R6#9.1 R6#10.1 R6#11.1 R6#12.1 R6#13.1 R6#14.1 R6#15.1 R6#16.1 R6#17.1 R6#18.1 U1.28 U1#2.28 U1#3.28 U1#4.28 U1#5.28 U1#6.28 U1#7.28 U1#8.28 U1#9.28 U1#10.28 U1#11.28 U1#12.28 U1#13.28 U1#14.28 U1#15.28 U1#16.28 U1#17.28 U1#18.28
PAIR: JP1.2 JP1#2.2 JP1#3.2 JP1#4.2 JP1#5.2 JP1#6.2 JP1#7.2 JP1#8.2 JP1#9.2 JP1#10.2 JP1#11.2 JP1#12.2 JP1#13.2 JP1#14.2 JP1#15.2 JP1#16.2 JP1#17.2 JP1#18.2 U1.23 U1#2.23 U1#3.23 U1#4.23 U1#5.23 U1#6.23 U1#7.23 U1#8.23 U1#9.23 U1#10.23 U1#11.23 U1#12.23 U1#13.23 U1#14.23 U1#15.23 U1#16.23 U1#17.23 U1#18.23
RX_HV: J1.2 J1#2.2 J1#3.2 J1#4.2 J1#5.2 J1#6.2 J1#7.2 J1#8.2 J1#9.2 J1#10.2 J1#11.2 J1#12.2 J1#13.2 J1#14.2 J1#15.2 J1#16.2 J1#17.2 J1#18.2 R3.2 R3#2.2 R3#3.2 R3#4.2 R3#5.2 R3#6.2 R3#7.2 R3#8.2 R3#9.2 R3#10.2 R3#11.2 R3#12.2 R3#13.2 R3#14.2 R3#15.2 R3#16.2 R3#17.2 R3#18.2 TP2.1 TP2#2.1 TP2#3.1 TP2#4.1 TP2#5.1 TP2#6.1 TP2#7.1 TP2#8.1 TP2#9.1 TP2#10.1 TP2#11.1 TP2#12.1 TP2#13.1 TP2#14.1 TP2#15.1 TP2#16.1 TP2#17.1 TP2#18.1
RX_LV: R3.1 R3#2.1 R3#3.1 R3#4.1 R3#5.1 R3#6.1 R3#7.1 R3#8.1 R3#9.1 R3#10.1 R3#11.1 R3#12.1 R3#13.1 R3#14.1 R3#15.1 R3#16.1 R3#17.1 R3#18.1 U1.30 U1#2.30 U1#3.30 U1#4.30 U1#5.30 U1#6.30 U1#7.30 U1#8.30 U1#9.30 U1#10.30 U1#11.30 U1#12.30 U1#13.30 U1#14.30 U1#15.30 U1#16.30 U1#17.30 U1#18.30
TX_HV: J1.3 J1#2.3 J1#3.3 J1#4.3 J1#5.3 J1#6.3 J1#7.3 J1#8.3 J1#9.3 J1#10.3 J1#11.3 J1#12.3 J1#13.3 J1#14.3 J1#15.3 J1#16.3 J1#17.3 J1#18.3 Q1.3 Q1#2.3 Q1#3.3 Q1#4.3 Q1#5.3 Q1#6.3 Q1#7.3 Q1#8.3 Q1#9.3 Q1#10.3 Q1#11.3 Q1#12.3 Q1#13.3 Q1#14.3 Q1#15.3 Q1#16.3 Q1#17.3 Q1#18.3 R9.2 R9#2.2 R9#3.2 R9#4.2 R9#5.2 R9#6.2 R9#7.2 R9#8.2 R9#9.2 R9#10.2 R9#11.2 R9#12.2 R9#13.2 R9#14.2 R9#15.2 R9#16.2 R9#17.2 R9#18.2 TP4.1 TP4#2.1 TP4#3.1 TP4#4.1 TP4#5.1 TP4#6.1 TP4#7.1 TP4#8.1 TP4#9.1 TP4#10.1 TP4#11.1 TP4#12.1 TP4#13.1 TP4#14.1 TP4#15.1 TP4#16.1 TP4#17.1 TP4#18.1
TX_LV: Q1.2 Q1#2.2 Q1#3.2 Q1#4.2 Q1#5.2 Q1#6.2 Q1#7.2 Q1#8.2 Q1#9.2 Q1#10.2 Q1#11.2 Q1#12.2 Q1#13.2 Q1#14.2 Q1#15.2 Q1#16.2 Q1#17.2 Q1#18.2 R7.2 R7#2.2 R7#3.2 R7#4.2 R7#5.2 R7#6.2 R7#7.2 R7#8.2 R7#9.2 R7#10.2 R7#11.2 R7#12.2 R7#13.2 R7#14.2 R7#15.2 R7#16.2 R7#17.2 R7#18.2 U1.31 U1#2.31 U1#3.31 U1#4.31 U1#5.31 U1#6.31 U1#7.31 U1#8.31 U1#9.31 U1#10.31 U1#11.31 U1#12.31 U1#13.31 U1#14.31 U1#15.31 U1#16.31 U1#17.31 U1#18.31
~{CTS_HV}: J1.5 J1#2.5 J1#3.5 J1#4.5 J1#5.5 J1#6.5 J1#7.5 J1#8.5 J1#9.5 J1#10.5 J1#11.5 J1#12.5 J1#13.5 J1#14.5 J1#15.5 J1#16.5 J1#17.5 J1#18.5 R4.2 R4#2.2 R4#3.2 R4#4.2 R4#5.2 R4#6.2 R4#7.2 R4#8.2 R4#9.2 R4#10.2 R4#11.2 R4#12.2 R4#13.2 R4#14.2 R4#15.2 R4#16.2 R4#17.2 R4#18.2 TP3.1 TP3#2.1 TP3#3.1 TP3#4.1 TP3#5.1 TP3#6.1 TP3#7.1 TP3#8.1 TP3#9.1 TP3#10.1 TP3#11.1 TP3#12.1 TP3#13.1 TP3#14.1 TP3#15.1 TP3#16.1 TP3#17.1 TP3#18.1
~{CTS_LV}: R4.1 R4#2.1 R4#3.1 R4#4.1 R4#5.1 R4#6.1 R4#7.1 R4#8.1 R4#9.1 R4#10.1 R4#11.1 R4#12.1 R4#13.1 R4#14.1 R4#15.1 R4#16.1 R4#17.1 R4#18.1 U1.33 U1#2.33 U1#3.33 U1#4.33 U1#5.33 U1#6.33 U1#7.33 U1#8.33 U1#9.33 U1#10.33 U1#11.33 U1#12.33 U1#13.33 U1#14.33 U1#15.33 U1#16.33 U1#17.33 U1#18.33
~{RTS_HV}: J1.1 J1#2.1 J1#3.1 J1#4.1 J1#5.1 J1#6.1 J1#7.1 J1#8.1 J1#9.1 J1#10.1 J1#11.1 J1#12.1 J1#13.1 J1#14.1 J1#15.1 J1#16.1 J1#17.1 J1#18.1 Q2.3 Q2#2.3 Q2#3.3 Q2#4.3 Q2#5.3 Q2#6.3 Q2#7.3 Q2#8.3 Q2#9.3 Q2#10.3 Q2#11.3 Q2#12.3 Q2#13.3 Q2#14.3 Q2#15.3 Q2#16.3 Q2#17.3 Q2#18.3 R10.2 R10#2.2 R10#3.2 R10#4.2 R10#5.2 R10#6.2 R10#7.2 R10#8.2 R10#9.2 R10#10.2 R10#11.2 R10#12.2 R10#13.2 R10#14.2 R10#15.2 R10#16.2 R10#17.2 R10#18.2 TP5.1 TP5#2.1 TP5#3.1 TP5#4.1 TP5#5.1 TP5#6.1 TP5#7.1 TP5#8.1 TP5#9.1 TP5#10.1 TP5#11.1 TP5#12.1 TP5#13.1 TP5#14.1 TP5#15.1 TP5#16.1 TP5#17.1 TP5#18.1
~{RTS_LV}: Q2.2 Q2#2.2 Q2#3.2 Q2#4.2 Q2#5.2 Q2#6.2 Q2#7.2 Q2#8.2 Q2#9.2 Q2#10.2 Q2#11.2 Q2#12.2 Q2#13.2 Q2#14.2 Q2#15.2 Q2#16.2 Q2#17.2 Q2#18.2 R8.2 R8#2.2 R8#3.2 R8#4.2 R8#5.2 R8#6.2 R8#7.2 R8#8.2 R8#9.2 R8#10.2 R8#11.2 R8#12.2 R8#13.2 R8#14.2 R8#15.2 R8#16.2 R8#17.2 R8#18.2 U1.34 U1#2.34 U1#3.34 U1#4.34 U1#5.34 U1#6.34 U1#7.34 U1#8.34 U1#9.34 U1#10.34 U1#11.34 U1#12.34 U1#13.34 U1#14.34 U1#15.34 U1#16.34 U1#17.34 U1#18.34
Net-(D1-A): D1.2 D1#2.2 D1#3.2 D1#4.2 D1#5.2 D1#6.2 D1#7.2 D1#8.2 D1#9.2 D1#10.2 D1#11.2 D1#12.2 D1#13.2 D1#14.2 D1#15.2 D1#16.2 D1#17.2 D1#18.2 R5.2 R5#2.2 R5#3.2 R5#4.2 R5#5.2 R5#6.2 R5#7.2 R5#8.2 R5#9.2 R5#10.2 R5#11.2 R5#12.2 R5#13.2 R5#14.2 R5#15.2 R5#16.2 R5#17.2 R5#18.2
Net-(D2-A): D2.2 D2#2.2 D2#3.2 D2#4.2 D2#5.2 D2#6.2 D2#7.2 D2#8.2 D2#9.2 D2#10.2 D2#11.2 D2#12.2 D2#13.2 D2#14.2 D2#15.2 D2#16.2 D2#17.2 D2#18.2 R6.2 R6#2.2 R6#3.2 R6#4.2 R6#5.2 R6#6.2 R6#7.2 R6#8.2 R6#9.2 R6#10.2 R6#11.2 R6#12.2 R6#13.2 R6#14.2 R6#15.2 R6#16.2 R6#17.2 R6#18.2
Net-(JP1-A): JP1.1 JP1#2.1 JP1#3.1 JP1#4.1 JP1#5.1 JP1#6.1 JP1#7.1 JP1#8.1 JP1#9.1 JP1#10.1 JP1#11.1 JP1#12.1 JP1#13.1 JP1#14.1 JP1#15.1 JP1#16.1 JP1#17.1 JP1#18.1 SW1.1 SW1#2.1 SW1#3.1 SW1#4.1 SW1#5.1 SW1#6.1 SW1#7.1 SW1#8.1 SW1#9.1 SW1#10.1 SW1#11.1 SW1#12.1 SW1#13.1 SW1#14.1 SW1#15.1 SW1#16.1 SW1#17.1 SW1#18.1
Net-(U1-EN): R1.2 R1#2.2 R1#3.2 R1#4.2 R1#5.2 R1#6.2 R1#7.2 R1#8.2 R1#9.2 R1#10.2 R1#11.2 R1#12.2 R1#13.2 R1#14.2 R1#15.2 R1#16.2 R1#17.2 R1#18.2 TP1.1 TP1#2.1 TP1#3.1 TP1#4.1 TP1#5.1 TP1#6.1 TP1#7.1 TP1#8.1 TP1#9.1 TP1#10.1 TP1#11.1 TP1#12.1 TP1#13.1 TP1#14.1 TP1#15.1 TP1#16.1 TP1#17.1 TP1#18.1 U1.8 U1#2.8 U1#3.8 U1#4.8 U1#5.8 U1#6.8 U1#7.8 U1#8.8 U1#9.8 U1#10.8 U1#11.8 U1#12.8 U1#13.8 U1#14.8 U1#15.8 U1#16.8 U1#17.8 U1#18.8
Net-(U1-IOA15): R2.1 R2#2.1 R2#3.1 R2#4.1 R2#5.1 R2#6.1 R2#7.1 R2#8.1 R2#9.1 R2#10.1 R2#11.1 R2#12.1 R2#13.1 R2#14.1 R2#15.1 R2#16.1 R2#17.1 R2#18.1 U1.21 U1#2.21 U1#3.21 U1#4.21 U1#5.21 U1#6.21 U1#7.21 U1#8.21 U1#9.21 U1#10.21 U1#11.21 U1#12.21 U1#13.21 U1#14.21 U1#15.21 U1#16.21 U1#17.21 U1#18.21

Pads without a net: U1 4 5 6 7 9 10 12 13 15 16 17 18 19 22 24 25 26 27 29 32 35; U1#2 4 5 6 7 9 10 12 13 15 16 17 18 19 22 24 25 26 27 29 32 35; U1#3 4 5 6 7 9 10 12 13 15 16 17 18 19 22 24 25 26 27 29 32 35; U1#4 4 5 6 7 9 10 12 13 15 16 17 18 19 22 24 25 26 27 29 32 35; U1#5 4 5 6 7 9 10 12 13 15 16 17 18 19 22 24 25 26 27 29 32 35; U1#6 4 5 6 7 9 10 12 13 15 16 17 18 19 22 24 25 26 27 29 32 35; U1#7 4 5 6 7 9 10 12 13 15 16 17 18 19 22 24 25 26 27 29 32 35; U1#8 4 5 6 7 9 10 12 13 15 16 17 18 19 22 24 25 26 27 29 32 35; U1#9 4 5 6 7 9 10 12 13 15 16 17 18 19 22 24 25 26 27 29 32 35; U1#10 4 5 6 7 9 10 12 13 15 16 17 18 19 22 24 25 26 27 29 32 35; U1#11 4 5 6 7 9 10 12 13 15 16 17 18 19 22 24 25 26 27 29 32 35; U1#12 4 5 6 7 9 10 12 13 15 16 17 18 19 22 24 25 26 27 29 32 35; U1#13 4 5 6 7 9 10 12 13 15 16 17 18 19 22 24 25 26 27 29 32 35; U1#14 4 5 6 7 9 10 12 13 15 16 17 18 19 22 24 25 26 27 29 32 35; U1#15 4 5 6 7 9 10 12 13 15 16 17 18 19 22 24 25 26 27 29 32 35; U1#16 4 5 6 7 9 10 12 13 15 16 17 18 19 22 24 25 26 27 29 32 35; U1#17 4 5 6 7 9 10 12 13 15 16 17 18 19 22 24 25 26 27 29 32 35; U1#18 4 5 6 7 9 10 12 13 15 16 17 18 19 22 24 25 26 27 29 32 35; U2 4; U2#2 4; U2#3 4; U2#4 4; U2#5 4; U2#6 4; U2#7 4; U2#8 4; U2#9 4; U2#10 4; U2#11 4; U2#12 4; U2#13 4; U2#14 4; U2#15 4; U2#16 4; U2#17 4; U2#18 4